# KiCad board INS-1 Matrix Display.kicad_pcb
title: 32x16 Nixie Dot Matrix Display; rev: 1.0; company: Ferinix
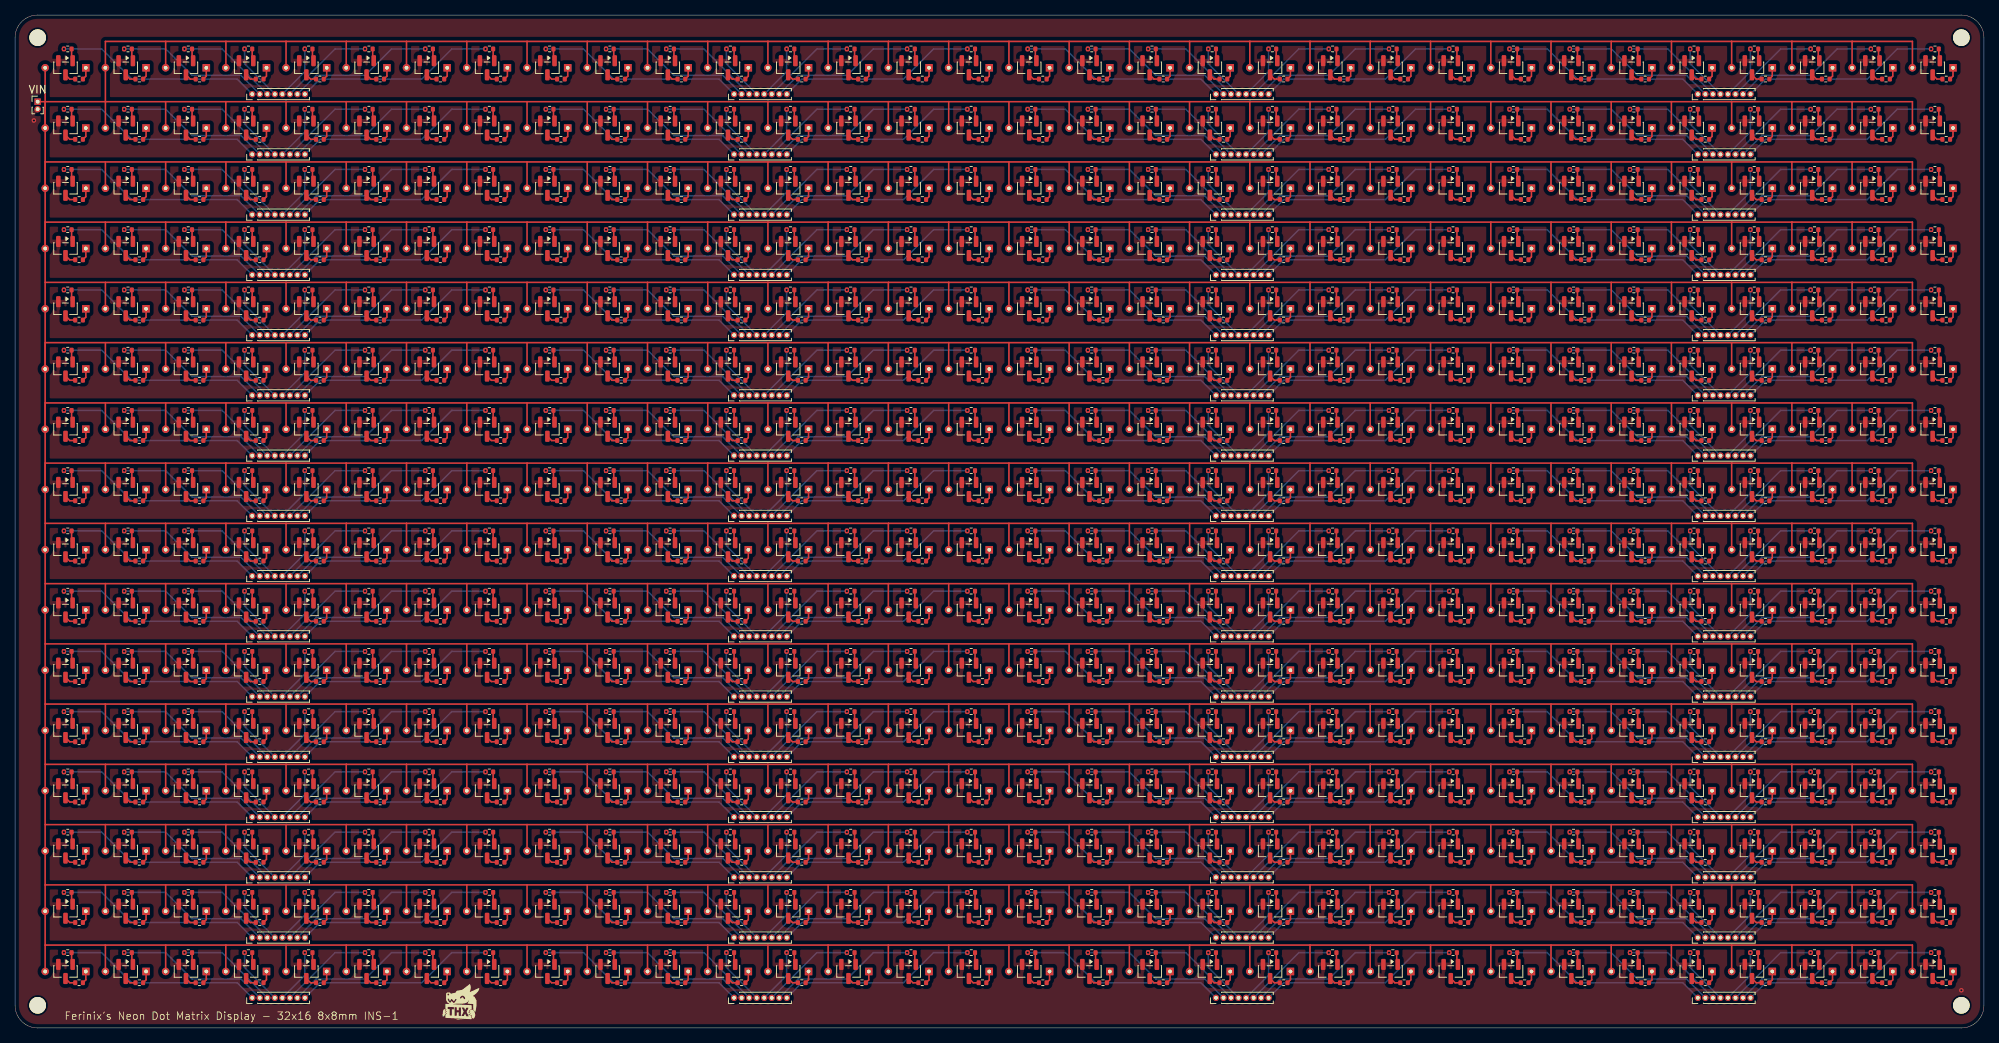
[diagram p0: board, top side]
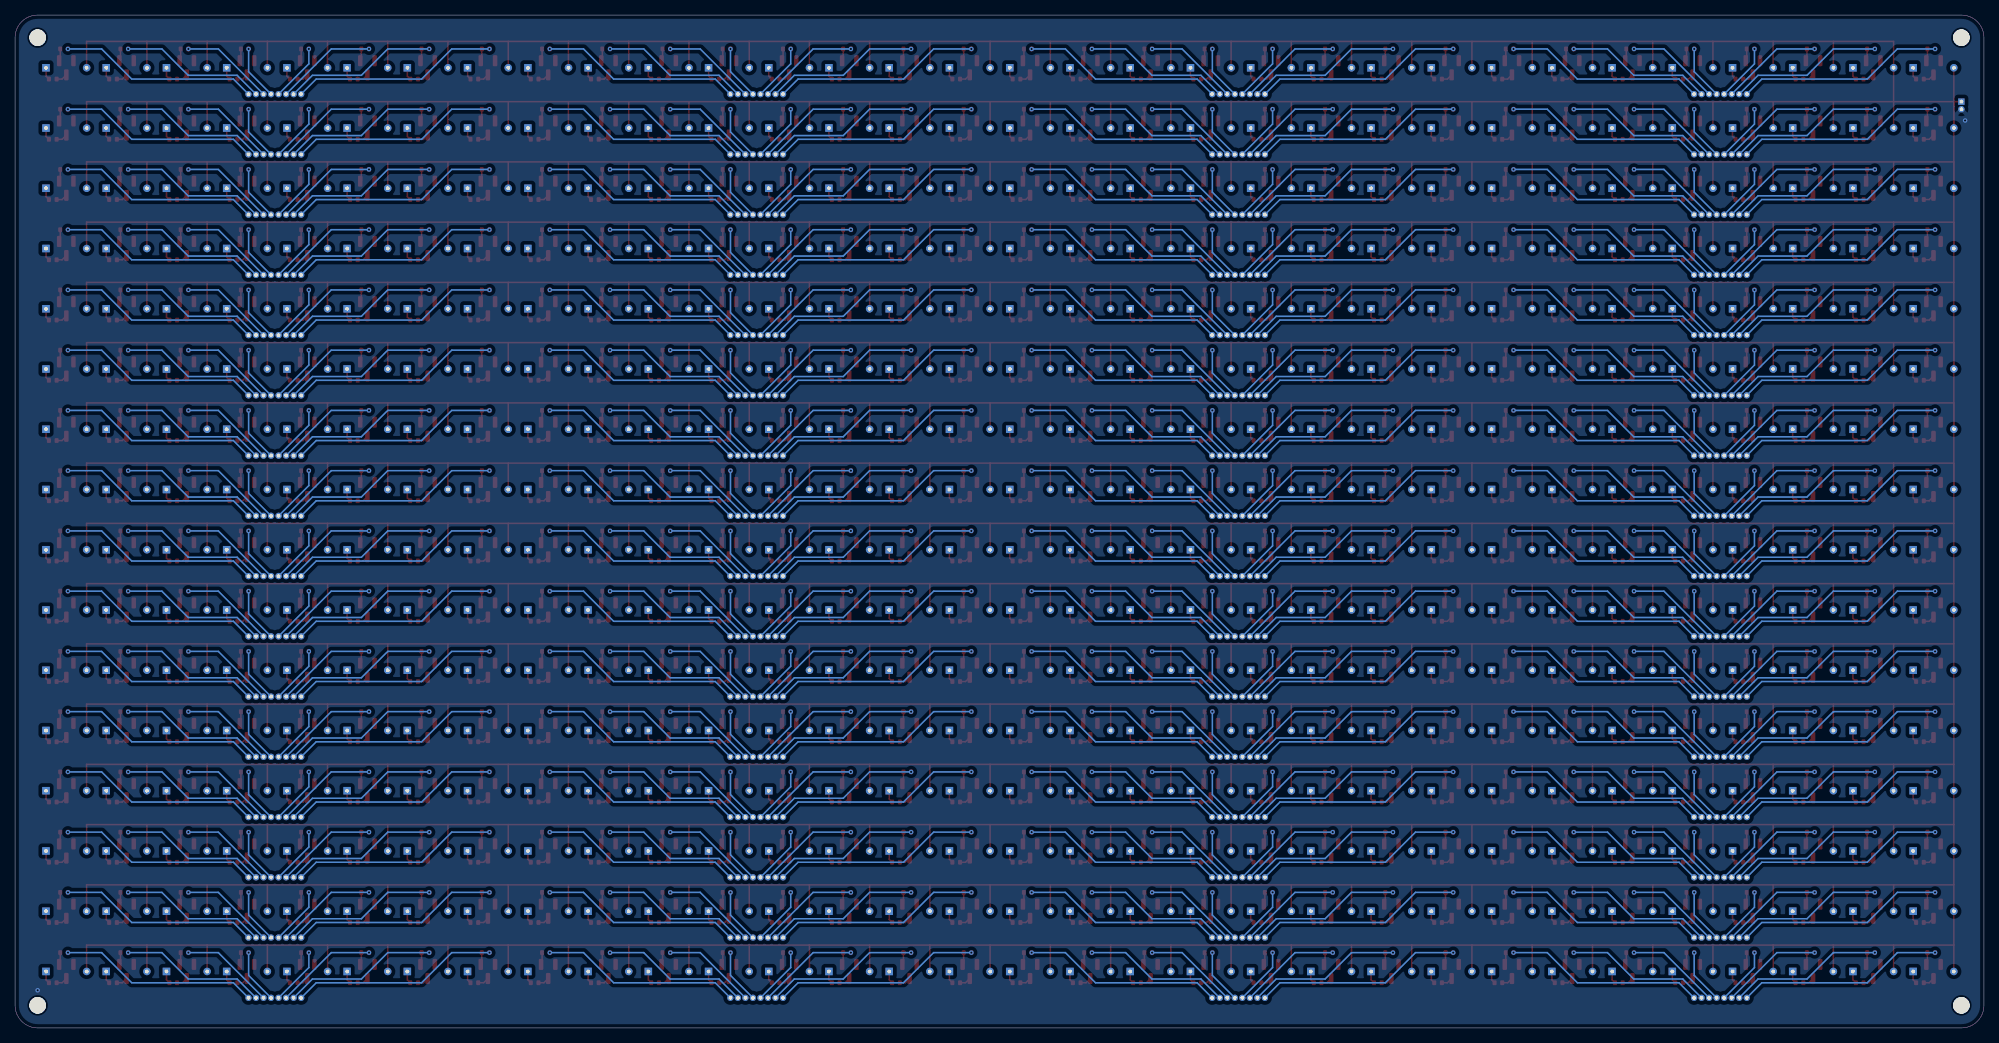
[diagram p1: board, bottom side, seen from below]

Outline 261.5 x 134.5 mm; copper layers: Top, Bottom. Coordinates in mm from the lower left corner of the outline.
Outline path: 0,131.5 arc(0.88,133.62) 3,134.5 258.5,134.5 arc(260.62,133.62) 261.5,131.5 261.5,3 arc(260.62,0.88) 258.5,0 3,0 arc(0.88,0.88) 0,3 0,131.5

## Placement (name value [footprint] x y rotation side)
1K  -  [R_0402_1005Metric]  79 18 0 top
1K#2  -  [R_0402_1005Metric]  87 74 0 top
1K#3  -  [R_0402_1005Metric]  30.99 114 0 top
1K#4  -  [R_0402_1005Metric]  174.99 90 0 top
1K#5  -  [R_0402_1005Metric]  207 18 0 top
1K#6  -  [R_0402_1005Metric]  118.99 74 0 top
1K#7  -  [R_0402_1005Metric]  23 122 0 top
1K#8  -  [R_0402_1005Metric]  207 50 0 top
1K#9  -  [R_0402_1005Metric]  151 26 0 top
1K#10  -  [R_0402_1005Metric]  126.99 90 0 top
1K#11  -  [R_0402_1005Metric]  135 58 0 top
1K#12  -  [R_0402_1005Metric]  222.99 50 0 top
1K#13  -  [R_0402_1005Metric]  23 58 0 top
1K#14  -  [R_0402_1005Metric]  62.99 58 0 top
1K#15  -  [R_0402_1005Metric]  23 10 0 top
1K#16  -  [R_0402_1005Metric]  151 106 0 top
1K#17  -  [R_0402_1005Metric]  15 50 0 top
1K#18  -  [R_0402_1005Metric]  94.99 74 0 top
1K#19  -  [R_0402_1005Metric]  215 66 0 top
1K#20  -  [R_0402_1005Metric]  166.99 122 0 top
1K#21  -  [R_0402_1005Metric]  199 106 0 top
1K#22  -  [R_0402_1005Metric]  87 98 0 top
1K#23  -  [R_0402_1005Metric]  190.99 74 0 top
1K#24  -  [R_0402_1005Metric]  199 82 0 top
1K#25  -  [R_0402_1005Metric]  174.99 106 0 top
1K#26  -  [R_0402_1005Metric]  79 74 0 top
1K#27  -  [R_0402_1005Metric]  222.99 106 0 top
1K#28  -  [R_0402_1005Metric]  254.99 42 0 top
1K#29  -  [R_0402_1005Metric]  38.99 82 0 top
1K#30  -  [R_0402_1005Metric]  126.99 66 0 top
1K#31  -  [R_0402_1005Metric]  158.99 18 0 top
1K#32  -  [R_0402_1005Metric]  174.99 18 0 top
1K#33  -  [R_0402_1005Metric]  190.99 106 0 top
1K#34  -  [R_0402_1005Metric]  254.99 26 0 top
1K#35  -  [R_0402_1005Metric]  246.99 106 0 top
1K#36  -  [R_0402_1005Metric]  199 42 0 top
1K#37  -  [R_0402_1005Metric]  79 26 0 top
1K#38  -  [R_0402_1005Metric]  222.99 82 0 top
1K#39  -  [R_0402_1005Metric]  190.99 34 0 top
1K#40  -  [R_0402_1005Metric]  246.99 74 0 top
1K#41  -  [R_0402_1005Metric]  151 130 0 top
1K#42  -  [R_0402_1005Metric]  87 18 0 top
1K#43  -  [R_0402_1005Metric]  254.99 66 0 top
1K#44  -  [R_0402_1005Metric]  238.99 114 0 top
1K#45  -  [R_0402_1005Metric]  143 34 0 top
1K#46  -  [R_0402_1005Metric]  238.99 130 0 top
1K#47  -  [R_0402_1005Metric]  143 82 0 top
1K#48  -  [R_0402_1005Metric]  143 74 0 top
1K#49  -  [R_0402_1005Metric]  7 66 0 top
1K#50  -  [R_0402_1005Metric]  158.99 122 0 top
1K#51  -  [R_0402_1005Metric]  118.99 10 0 top
1K#52  -  [R_0402_1005Metric]  79 114 0 top
1K#53  -  [R_0402_1005Metric]  102.99 10 0 top
1K#54  -  [R_0402_1005Metric]  143 26 0 top
1K#55  -  [R_0402_1005Metric]  174.99 50 0 top
1K#56  -  [R_0402_1005Metric]  222.99 90 0 top
1K#57  -  [R_0402_1005Metric]  238.99 106 0 top
1K#58  -  [R_0402_1005Metric]  207 26 0 top
1K#59  -  [R_0402_1005Metric]  207 58 0 top
1K#60  -  [R_0402_1005Metric]  222.99 98 0 top
1K#61  -  [R_0402_1005Metric]  46.99 42 0 top
1K#62  -  [R_0402_1005Metric]  199 130 0 top
1K#63  -  [R_0402_1005Metric]  46.99 130 0 top
1K#64  -  [R_0402_1005Metric]  118.99 90 0 top
1K#65  -  [R_0402_1005Metric]  151 34 0 top
1K#66  -  [R_0402_1005Metric]  30.99 130 0 top
1K#67  -  [R_0402_1005Metric]  7 26 0 top
1K#68  -  [R_0402_1005Metric]  222.99 18 0 top
1K#69  -  [R_0402_1005Metric]  199 98 0 top
1K#70  -  [R_0402_1005Metric]  38.99 98 0 top
1K#71  -  [R_0402_1005Metric]  151 58 0 top
1K#72  -  [R_0402_1005Metric]  230.99 50 0 top
1K#73  -  [R_0402_1005Metric]  62.99 114 0 top
1K#74  -  [R_0402_1005Metric]  118.99 50 0 top
1K#75  -  [R_0402_1005Metric]  166.99 18 0 top
1K#76  -  [R_0402_1005Metric]  30.99 82 0 top
1K#77  -  [R_0402_1005Metric]  126.99 58 0 top
1K#78  -  [R_0402_1005Metric]  62.99 66 0 top
1K#79  -  [R_0402_1005Metric]  7 122 0 top
1K#80  -  [R_0402_1005Metric]  23 114 0 top
1K#81  -  [R_0402_1005Metric]  215 10 0 top
1K#82  -  [R_0402_1005Metric]  135 98 0 top
1K#83  -  [R_0402_1005Metric]  71 34 0 top
1K#84  -  [R_0402_1005Metric]  151 10 0 top
1K#85  -  [R_0402_1005Metric]  15 90 0 top
1K#86  -  [R_0402_1005Metric]  15 82 0 top
1K#87  -  [R_0402_1005Metric]  254.99 58 0 top
1K#88  -  [R_0402_1005Metric]  110.99 74 0 top
1K#89  -  [R_0402_1005Metric]  190.99 58 0 top
1K#90  -  [R_0402_1005Metric]  118.99 98 0 top
1K#91  -  [R_0402_1005Metric]  62.99 98 0 top
1K#92  -  [R_0402_1005Metric]  7 114 0 top
1K#93  -  [R_0402_1005Metric]  94.99 90 0 top
1K#94  -  [R_0402_1005Metric]  79 34 0 top
1K#95  -  [R_0402_1005Metric]  102.99 50 0 top
1K#96  -  [R_0402_1005Metric]  62.99 42 0 top
1K#97  -  [R_0402_1005Metric]  23 18 0 top
1K#98  -  [R_0402_1005Metric]  246.99 10 0 top
1K#99  -  [R_0402_1005Metric]  71 106 0 top
1K#100  -  [R_0402_1005Metric]  7 10 0 top
1K#101  -  [R_0402_1005Metric]  94.99 114 0 top
1K#102  -  [R_0402_1005Metric]  207 90 0 top
1K#103  -  [R_0402_1005Metric]  87 10 0 top
1K#104  -  [R_0402_1005Metric]  38.99 18 0 top
1K#105  -  [R_0402_1005Metric]  118.99 122 0 top
1K#106  -  [R_0402_1005Metric]  94.99 58 0 top
1K#107  -  [R_0402_1005Metric]  199 114 0 top
1K#108  -  [R_0402_1005Metric]  199 58 0 top
1K#109  -  [R_0402_1005Metric]  190.99 114 0 top
1K#110  -  [R_0402_1005Metric]  30.99 90 0 top
1K#111  -  [R_0402_1005Metric]  238.99 122 0 top
1K#112  -  [R_0402_1005Metric]  135 82 0 top
1K#113  -  [R_0402_1005Metric]  182.99 10 0 top
1K#114  -  [R_0402_1005Metric]  230.99 114 0 top
1K#115  -  [R_0402_1005Metric]  54.99 130 0 top
1K#116  -  [R_0402_1005Metric]  174.99 98 0 top
1K#117  -  [R_0402_1005Metric]  110.99 18 0 top
1K#118  -  [R_0402_1005Metric]  38.99 114 0 top
1K#119  -  [R_0402_1005Metric]  230.99 58 0 top
1K#120  -  [R_0402_1005Metric]  46.99 106 0 top
1K#121  -  [R_0402_1005Metric]  166.99 66 0 top
1K#122  -  [R_0402_1005Metric]  118.99 106 0 top
1K#123  -  [R_0402_1005Metric]  166.99 114 0 top
1K#124  -  [R_0402_1005Metric]  87 34 0 top
1K#125  -  [R_0402_1005Metric]  126.99 26 0 top
1K#126  -  [R_0402_1005Metric]  62.99 34 0 top
1K#127  -  [R_0402_1005Metric]  30.99 42 0 top
1K#128  -  [R_0402_1005Metric]  71 114 0 top
1K#129  -  [R_0402_1005Metric]  23 82 0 top
1K#130  -  [R_0402_1005Metric]  215 58 0 top
1K#131  -  [R_0402_1005Metric]  143 58 0 top
1K#132  -  [R_0402_1005Metric]  118.99 66 0 top
1K#133  -  [R_0402_1005Metric]  102.99 90 0 top
1K#134  -  [R_0402_1005Metric]  135 50 0 top
1K#135  -  [R_0402_1005Metric]  79 122 0 top
1K#136  -  [R_0402_1005Metric]  143 50 0 top
1K#137  -  [R_0402_1005Metric]  94.99 98 0 top
1K#138  -  [R_0402_1005Metric]  230.99 98 0 top
1K#139  -  [R_0402_1005Metric]  238.99 18 0 top
1K#140  -  [R_0402_1005Metric]  190.99 10 0 top
1K#141  -  [R_0402_1005Metric]  23 74 0 top
1K#142  -  [R_0402_1005Metric]  238.99 66 0 top
1K#143  -  [R_0402_1005Metric]  118.99 18 0 top
1K#144  -  [R_0402_1005Metric]  46.99 50 0 top
1K#145  -  [R_0402_1005Metric]  126.99 98 0 top
1K#146  -  [R_0402_1005Metric]  254.99 106 0 top
1K#147  -  [R_0402_1005Metric]  230.99 18 0 top
1K#148  -  [R_0402_1005Metric]  174.99 26 0 top
1K#149  -  [R_0402_1005Metric]  30.99 74 0 top
1K#150  -  [R_0402_1005Metric]  158.99 42 0 top
1K#151  -  [R_0402_1005Metric]  238.99 26 0 top
1K#152  -  [R_0402_1005Metric]  190.99 82 0 top
1K#153  -  [R_0402_1005Metric]  158.99 90 0 top
1K#154  -  [R_0402_1005Metric]  182.99 114 0 top
1K#155  -  [R_0402_1005Metric]  46.99 10 0 top
1K#156  -  [R_0402_1005Metric]  215 74 0 top
1K#157  -  [R_0402_1005Metric]  110.99 98 0 top
1K#158  -  [R_0402_1005Metric]  135 66 0 top
1K#159  -  [R_0402_1005Metric]  215 42 0 top
1K#160  -  [R_0402_1005Metric]  7 50 0 top
1K#161  -  [R_0402_1005Metric]  199 34 0 top
1K#162  -  [R_0402_1005Metric]  23 34 0 top
1K#163  -  [R_0402_1005Metric]  246.99 50 0 top
1K#164  -  [R_0402_1005Metric]  94.99 18 0 top
1K#165  -  [R_0402_1005Metric]  143 10 0 top
1K#166  -  [R_0402_1005Metric]  79 90 0 top
1K#167  -  [R_0402_1005Metric]  46.99 26 0 top
1K#168  -  [R_0402_1005Metric]  246.99 34 0 top
1K#169  -  [R_0402_1005Metric]  190.99 26 0 top
1K#170  -  [R_0402_1005Metric]  158.99 58 0 top
1K#171  -  [R_0402_1005Metric]  54.99 74 0 top
1K#172  -  [R_0402_1005Metric]  71 66 0 top
1K#173  -  [R_0402_1005Metric]  238.99 34 0 top
1K#174  -  [R_0402_1005Metric]  23 66 0 top
1K#175  -  [R_0402_1005Metric]  190.99 18 0 top
1K#176  -  [R_0402_1005Metric]  15 130 0 top
1K#177  -  [R_0402_1005Metric]  30.99 66 0 top
1K#178  -  [R_0402_1005Metric]  207 122 0 top
1K#179  -  [R_0402_1005Metric]  71 82 0 top
1K#180  -  [R_0402_1005Metric]  38.99 90 0 top
1K#181  -  [R_0402_1005Metric]  190.99 90 0 top
1K#182  -  [R_0402_1005Metric]  254.99 34 0 top
1K#183  -  [R_0402_1005Metric]  166.99 26 0 top
1K#184  -  [R_0402_1005Metric]  215 34 0 top
1K#185  -  [R_0402_1005Metric]  71 90 0 top
1K#186  -  [R_0402_1005Metric]  102.99 66 0 top
1K#187  -  [R_0402_1005Metric]  222.99 114 0 top
1K#188  -  [R_0402_1005Metric]  38.99 10 0 top
1K#189  -  [R_0402_1005Metric]  118.99 82 0 top
1K#190  -  [R_0402_1005Metric]  62.99 50 0 top
1K#191  -  [R_0402_1005Metric]  182.99 50 0 top
1K#192  -  [R_0402_1005Metric]  15 106 0 top
1K#193  -  [R_0402_1005Metric]  62.99 90 0 top
1K#194  -  [R_0402_1005Metric]  87 106 0 top
1K#195  -  [R_0402_1005Metric]  143 106 0 top
1K#196  -  [R_0402_1005Metric]  54.99 98 0 top
1K#197  -  [R_0402_1005Metric]  230.99 90 0 top
1K#198  -  [R_0402_1005Metric]  46.99 122 0 top
1K#199  -  [R_0402_1005Metric]  174.99 42 0 top
1K#200  -  [R_0402_1005Metric]  15 42 0 top
1K#201  -  [R_0402_1005Metric]  246.99 66 0 top
1K#202  -  [R_0402_1005Metric]  7 74 0 top
1K#203  -  [R_0402_1005Metric]  246.99 130 0 top
1K#204  -  [R_0402_1005Metric]  135 106 0 top
1K#205  -  [R_0402_1005Metric]  207 34 0 top
1K#206  -  [R_0402_1005Metric]  207 74 0 top
1K#207  -  [R_0402_1005Metric]  174.99 34 0 top
1K#208  -  [R_0402_1005Metric]  222.99 74 0 top
1K#209  -  [R_0402_1005Metric]  246.99 114 0 top
1K#210  -  [R_0402_1005Metric]  143 114 0 top
1K#211  -  [R_0402_1005Metric]  110.99 34 0 top
1K#212  -  [R_0402_1005Metric]  182.99 98 0 top
1K#213  -  [R_0402_1005Metric]  71 26 0 top
1K#214  -  [R_0402_1005Metric]  182.99 26 0 top
1K#215  -  [R_0402_1005Metric]  118.99 26 0 top
1K#216  -  [R_0402_1005Metric]  190.99 50 0 top
1K#217  -  [R_0402_1005Metric]  30.99 106 0 top
1K#218  -  [R_0402_1005Metric]  54.99 114 0 top
1K#219  -  [R_0402_1005Metric]  102.99 58 0 top
1K#220  -  [R_0402_1005Metric]  126.99 106 0 top
1K#221  -  [R_0402_1005Metric]  158.99 10 0 top
1K#222  -  [R_0402_1005Metric]  7 82 0 top
1K#223  -  [R_0402_1005Metric]  87 58 0 top
1K#224  -  [R_0402_1005Metric]  174.99 114 0 top
1K#225  -  [R_0402_1005Metric]  110.99 10 0 top
1K#226  -  [R_0402_1005Metric]  254.99 50 0 top
1K#227  -  [R_0402_1005Metric]  46.99 18 0 top
1K#228  -  [R_0402_1005Metric]  15 98 0 top
1K#229  -  [R_0402_1005Metric]  110.99 82 0 top
1K#230  -  [R_0402_1005Metric]  143 130 0 top
1K#231  -  [R_0402_1005Metric]  190.99 66 0 top
1K#232  -  [R_0402_1005Metric]  126.99 42 0 top
1K#233  -  [R_0402_1005Metric]  135 26 0 top
1K#234  -  [R_0402_1005Metric]  182.99 122 0 top
1K#235  -  [R_0402_1005Metric]  126.99 114 0 top
1K#236  -  [R_0402_1005Metric]  110.99 66 0 top
1K#237  -  [R_0402_1005Metric]  79 98 0 top
1K#238  -  [R_0402_1005Metric]  87 66 0 top
1K#239  -  [R_0402_1005Metric]  215 26 0 top
1K#240  -  [R_0402_1005Metric]  182.99 74 0 top
1K#241  -  [R_0402_1005Metric]  246.99 90 0 top
1K#242  -  [R_0402_1005Metric]  7 98 0 top
1K#243  -  [R_0402_1005Metric]  182.99 66 0 top
1K#244  -  [R_0402_1005Metric]  87 122 0 top
1K#245  -  [R_0402_1005Metric]  38.99 122 0 top
1K#246  -  [R_0402_1005Metric]  199 10 0 top
1K#247  -  [R_0402_1005Metric]  222.99 10 0 top
1K#248  -  [R_0402_1005Metric]  166.99 98 0 top
1K#249  -  [R_0402_1005Metric]  166.99 106 0 top
1K#250  -  [R_0402_1005Metric]  30.99 34 0 top
1K#251  -  [R_0402_1005Metric]  110.99 106 0 top
1K#252  -  [R_0402_1005Metric]  238.99 42 0 top
1K#253  -  [R_0402_1005Metric]  215 114 0 top
1K#254  -  [R_0402_1005Metric]  174.99 58 0 top
1K#255  -  [R_0402_1005Metric]  151 90 0 top
1K#256  -  [R_0402_1005Metric]  174.99 82 0 top
1K#257  -  [R_0402_1005Metric]  135 90 0 top
1K#258  -  [R_0402_1005Metric]  54.99 34 0 top
1K#259  -  [R_0402_1005Metric]  254.99 98 0 top
1K#260  -  [R_0402_1005Metric]  174.99 130 0 top
1K#261  -  [R_0402_1005Metric]  238.99 74 0 top
1K#262  -  [R_0402_1005Metric]  54.99 82 0 top
1K#263  -  [R_0402_1005Metric]  62.99 122 0 top
1K#264  -  [R_0402_1005Metric]  62.99 106 0 top
1K#265  -  [R_0402_1005Metric]  87 26 0 top
1K#266  -  [R_0402_1005Metric]  151 74 0 top
1K#267  -  [R_0402_1005Metric]  38.99 26 0 top
1K#268  -  [R_0402_1005Metric]  143 122 0 top
1K#269  -  [R_0402_1005Metric]  71 130 0 top
1K#270  -  [R_0402_1005Metric]  174.99 66 0 top
1K#271  -  [R_0402_1005Metric]  135 42 0 top
1K#272  -  [R_0402_1005Metric]  151 50 0 top
1K#273  -  [R_0402_1005Metric]  71 50 0 top
1K#274  -  [R_0402_1005Metric]  23 106 0 top
1K#275  -  [R_0402_1005Metric]  79 66 0 top
1K#276  -  [R_0402_1005Metric]  238.99 82 0 top
1K#277  -  [R_0402_1005Metric]  7 58 0 top
1K#278  -  [R_0402_1005Metric]  143 98 0 top
1K#279  -  [R_0402_1005Metric]  174.99 10 0 top
1K#280  -  [R_0402_1005Metric]  135 18 0 top
1K#281  -  [R_0402_1005Metric]  79 82 0 top
1K#282  -  [R_0402_1005Metric]  166.99 10 0 top
1K#283  -  [R_0402_1005Metric]  151 66 0 top
1K#284  -  [R_0402_1005Metric]  126.99 50 0 top
1K#285  -  [R_0402_1005Metric]  54.99 66 0 top
1K#286  -  [R_0402_1005Metric]  151 18 0 top
1K#287  -  [R_0402_1005Metric]  246.99 26 0 top
1K#288  -  [R_0402_1005Metric]  94.99 34 0 top
1K#289  -  [R_0402_1005Metric]  54.99 18 0 top
1K#290  -  [R_0402_1005Metric]  7 130 0 top
1K#291  -  [R_0402_1005Metric]  94.99 130 0 top
1K#292  -  [R_0402_1005Metric]  215 82 0 top
1K#293  -  [R_0402_1005Metric]  30.99 98 0 top
1K#294  -  [R_0402_1005Metric]  62.99 130 0 top
1K#295  -  [R_0402_1005Metric]  110.99 90 0 top
1K#296  -  [R_0402_1005Metric]  23 50 0 top
1K#297  -  [R_0402_1005Metric]  215 106 0 top
1K#298  -  [R_0402_1005Metric]  254.99 74 0 top
1K#299  -  [R_0402_1005Metric]  102.99 74 0 top
1K#300  -  [R_0402_1005Metric]  182.99 18 0 top
1K#301  -  [R_0402_1005Metric]  79 42 0 top
1K#302  -  [R_0402_1005Metric]  215 98 0 top
1K#303  -  [R_0402_1005Metric]  54.99 10 0 top
1K#304  -  [R_0402_1005Metric]  230.99 10 0 top
1K#305  -  [R_0402_1005Metric]  174.99 74 0 top
1K#306  -  [R_0402_1005Metric]  7 42 0 top
1K#307  -  [R_0402_1005Metric]  62.99 18 0 top
1K#308  -  [R_0402_1005Metric]  182.99 90 0 top
1K#309  -  [R_0402_1005Metric]  15 10 0 top
1K#310  -  [R_0402_1005Metric]  46.99 66 0 top
1K#311  -  [R_0402_1005Metric]  143 18 0 top
1K#312  -  [R_0402_1005Metric]  222.99 26 0 top
1K#313  -  [R_0402_1005Metric]  254.99 130 0 top
1K#314  -  [R_0402_1005Metric]  30.99 18 0 top
1K#315  -  [R_0402_1005Metric]  23 26 0 top
1K#316  -  [R_0402_1005Metric]  230.99 130 0 top
1K#317  -  [R_0402_1005Metric]  15 18 0 top
1K#318  -  [R_0402_1005Metric]  102.99 114 0 top
1K#319  -  [R_0402_1005Metric]  87 50 0 top
1K#320  -  [R_0402_1005Metric]  158.99 114 0 top
1K#321  -  [R_0402_1005Metric]  158.99 50 0 top
1K#322  -  [R_0402_1005Metric]  254.99 122 0 top
1K#323  -  [R_0402_1005Metric]  182.99 106 0 top
1K#324  -  [R_0402_1005Metric]  238.99 90 0 top
1K#325  -  [R_0402_1005Metric]  23 42 0 top
1K#326  -  [R_0402_1005Metric]  71 42 0 top
1K#327  -  [R_0402_1005Metric]  246.99 58 0 top
1K#328  -  [R_0402_1005Metric]  102.99 26 0 top
1K#329  -  [R_0402_1005Metric]  158.99 130 0 top
1K#330  -  [R_0402_1005Metric]  222.99 130 0 top
1K#331  -  [R_0402_1005Metric]  207 82 0 top
1K#332  -  [R_0402_1005Metric]  71 98 0 top
1K#333  -  [R_0402_1005Metric]  199 50 0 top
1K#334  -  [R_0402_1005Metric]  7 106 0 top
1K#335  -  [R_0402_1005Metric]  182.99 34 0 top
1K#336  -  [R_0402_1005Metric]  46.99 98 0 top
1K#337  -  [R_0402_1005Metric]  23 130 0 top
1K#338  -  [R_0402_1005Metric]  102.99 82 0 top
1K#339  -  [R_0402_1005Metric]  54.99 90 0 top
1K#340  -  [R_0402_1005Metric]  207 42 0 top
1K#341  -  [R_0402_1005Metric]  190.99 130 0 top
1K#342  -  [R_0402_1005Metric]  54.99 106 0 top
1K#343  -  [R_0402_1005Metric]  102.99 130 0 top
1K#344  -  [R_0402_1005Metric]  54.99 122 0 top
1K#345  -  [R_0402_1005Metric]  94.99 10 0 top
1K#346  -  [R_0402_1005Metric]  158.99 66 0 top
1K#347  -  [R_0402_1005Metric]  110.99 58 0 top
1K#348  -  [R_0402_1005Metric]  110.99 26 0 top
1K#349  -  [R_0402_1005Metric]  79 10 0 top
1K#350  -  [R_0402_1005Metric]  30.99 50 0 top
1K#351  -  [R_0402_1005Metric]  207 114 0 top
1K#352  -  [R_0402_1005Metric]  158.99 82 0 top
1K#353  -  [R_0402_1005Metric]  54.99 58 0 top
1K#354  -  [R_0402_1005Metric]  62.99 26 0 top
1K#355  -  [R_0402_1005Metric]  15 34 0 top
1K#356  -  [R_0402_1005Metric]  126.99 74 0 top
1K#357  -  [R_0402_1005Metric]  94.99 26 0 top
1K#358  -  [R_0402_1005Metric]  166.99 50 0 top
1K#359  -  [R_0402_1005Metric]  254.99 90 0 top
1K#360  -  [R_0402_1005Metric]  215 122 0 top
1K#361  -  [R_0402_1005Metric]  94.99 106 0 top
1K#362  -  [R_0402_1005Metric]  38.99 50 0 top
1K#363  -  [R_0402_1005Metric]  230.99 74 0 top
1K#364  -  [R_0402_1005Metric]  166.99 130 0 top
1K#365  -  [R_0402_1005Metric]  46.99 90 0 top
1K#366  -  [R_0402_1005Metric]  158.99 74 0 top
1K#367  -  [R_0402_1005Metric]  38.99 106 0 top
1K#368  -  [R_0402_1005Metric]  215 50 0 top
1K#369  -  [R_0402_1005Metric]  135 34 0 top
1K#370  -  [R_0402_1005Metric]  158.99 26 0 top
1K#371  -  [R_0402_1005Metric]  30.99 26 0 top
1K#372  -  [R_0402_1005Metric]  254.99 114 0 top
1K#373  -  [R_0402_1005Metric]  102.99 106 0 top
1K#374  -  [R_0402_1005Metric]  199 26 0 top
1K#375  -  [R_0402_1005Metric]  199 122 0 top
1K#376  -  [R_0402_1005Metric]  118.99 42 0 top
1K#377  -  [R_0402_1005Metric]  207 130 0 top
1K#378  -  [R_0402_1005Metric]  110.99 114 0 top
1K#379  -  [R_0402_1005Metric]  151 98 0 top
1K#380  -  [R_0402_1005Metric]  222.99 66 0 top
1K#381  -  [R_0402_1005Metric]  215 18 0 top
1K#382  -  [R_0402_1005Metric]  87 82 0 top
1K#383  -  [R_0402_1005Metric]  230.99 66 0 top
1K#384  -  [R_0402_1005Metric]  102.99 42 0 top
1K#385  -  [R_0402_1005Metric]  135 10 0 top
1K#386  -  [R_0402_1005Metric]  126.99 82 0 top
1K#387  -  [R_0402_1005Metric]  79 130 0 top
1K#388  -  [R_0402_1005Metric]  135 122 0 top
1K#389  -  [R_0402_1005Metric]  166.99 42 0 top
1K#390  -  [R_0402_1005Metric]  207 98 0 top
1K#391  -  [R_0402_1005Metric]  46.99 34 0 top
1K#392  -  [R_0402_1005Metric]  94.99 66 0 top
1K#393  -  [R_0402_1005Metric]  207 66 0 top
1K#394  -  [R_0402_1005Metric]  190.99 42 0 top
1K#395  -  [R_0402_1005Metric]  230.99 106 0 top
1K#396  -  [R_0402_1005Metric]  158.99 34 0 top
1K#397  -  [R_0402_1005Metric]  110.99 50 0 top
1K#398  -  [R_0402_1005Metric]  222.99 34 0 top
1K#399  -  [R_0402_1005Metric]  7 90 0 top
1K#400  -  [R_0402_1005Metric]  71 74 0 top
1K#401  -  [R_0402_1005Metric]  46.99 74 0 top
1K#402  -  [R_0402_1005Metric]  38.99 42 0 top
1K#403  -  [R_0402_1005Metric]  246.99 18 0 top
1K#404  -  [R_0402_1005Metric]  230.99 82 0 top
1K#405  -  [R_0402_1005Metric]  254.99 18 0 top
1K#406  -  [R_0402_1005Metric]  15 66 0 top
1K#407  -  [R_0402_1005Metric]  135 114 0 top
1K#408  -  [R_0402_1005Metric]  182.99 130 0 top
1K#409  -  [R_0402_1005Metric]  110.99 122 0 top
1K#410  -  [R_0402_1005Metric]  143 90 0 top
1K#411  -  [R_0402_1005Metric]  222.99 42 0 top
1K#412  -  [R_0402_1005Metric]  79 50 0 top
1K#413  -  [R_0402_1005Metric]  246.99 42 0 top
1K#414  -  [R_0402_1005Metric]  38.99 130 0 top
1K#415  -  [R_0402_1005Metric]  182.99 82 0 top
1K#416  -  [R_0402_1005Metric]  102.99 18 0 top
1K#417  -  [R_0402_1005Metric]  94.99 50 0 top
1K#418  -  [R_0402_1005Metric]  199 90 0 top
1K#419  -  [R_0402_1005Metric]  151 82 0 top
1K#420  -  [R_0402_1005Metric]  215 90 0 top
1K#421  -  [R_0402_1005Metric]  230.99 122 0 top
1K#422  -  [R_0402_1005Metric]  246.99 122 0 top
1K#423  -  [R_0402_1005Metric]  254.99 82 0 top
1K#424  -  [R_0402_1005Metric]  230.99 42 0 top
1K#425  -  [R_0402_1005Metric]  238.99 58 0 top
1K#426  -  [R_0402_1005Metric]  158.99 106 0 top
1K#427  -  [R_0402_1005Metric]  238.99 10 0 top
1K#428  -  [R_0402_1005Metric]  190.99 122 0 top
1K#429  -  [R_0402_1005Metric]  126.99 122 0 top
1K#430  -  [R_0402_1005Metric]  71 58 0 top
1K#431  -  [R_0402_1005Metric]  87 90 0 top
1K#432  -  [R_0402_1005Metric]  199 74 0 top